# Altium PCB WL-MAIN.PcbDoc (part 2 of 4)
Units mm, origin at the board's own origin, x right, y up, seen from the top; angles counter-clockwise.
Board outline 144 x 83.65 mm, 4 copper layers (Top Layer, Layer 2, Layer 3, Bottom Layer), stack 1.57 mm thick; 403 components, 327 nets, 1552 pads, 622 vias.
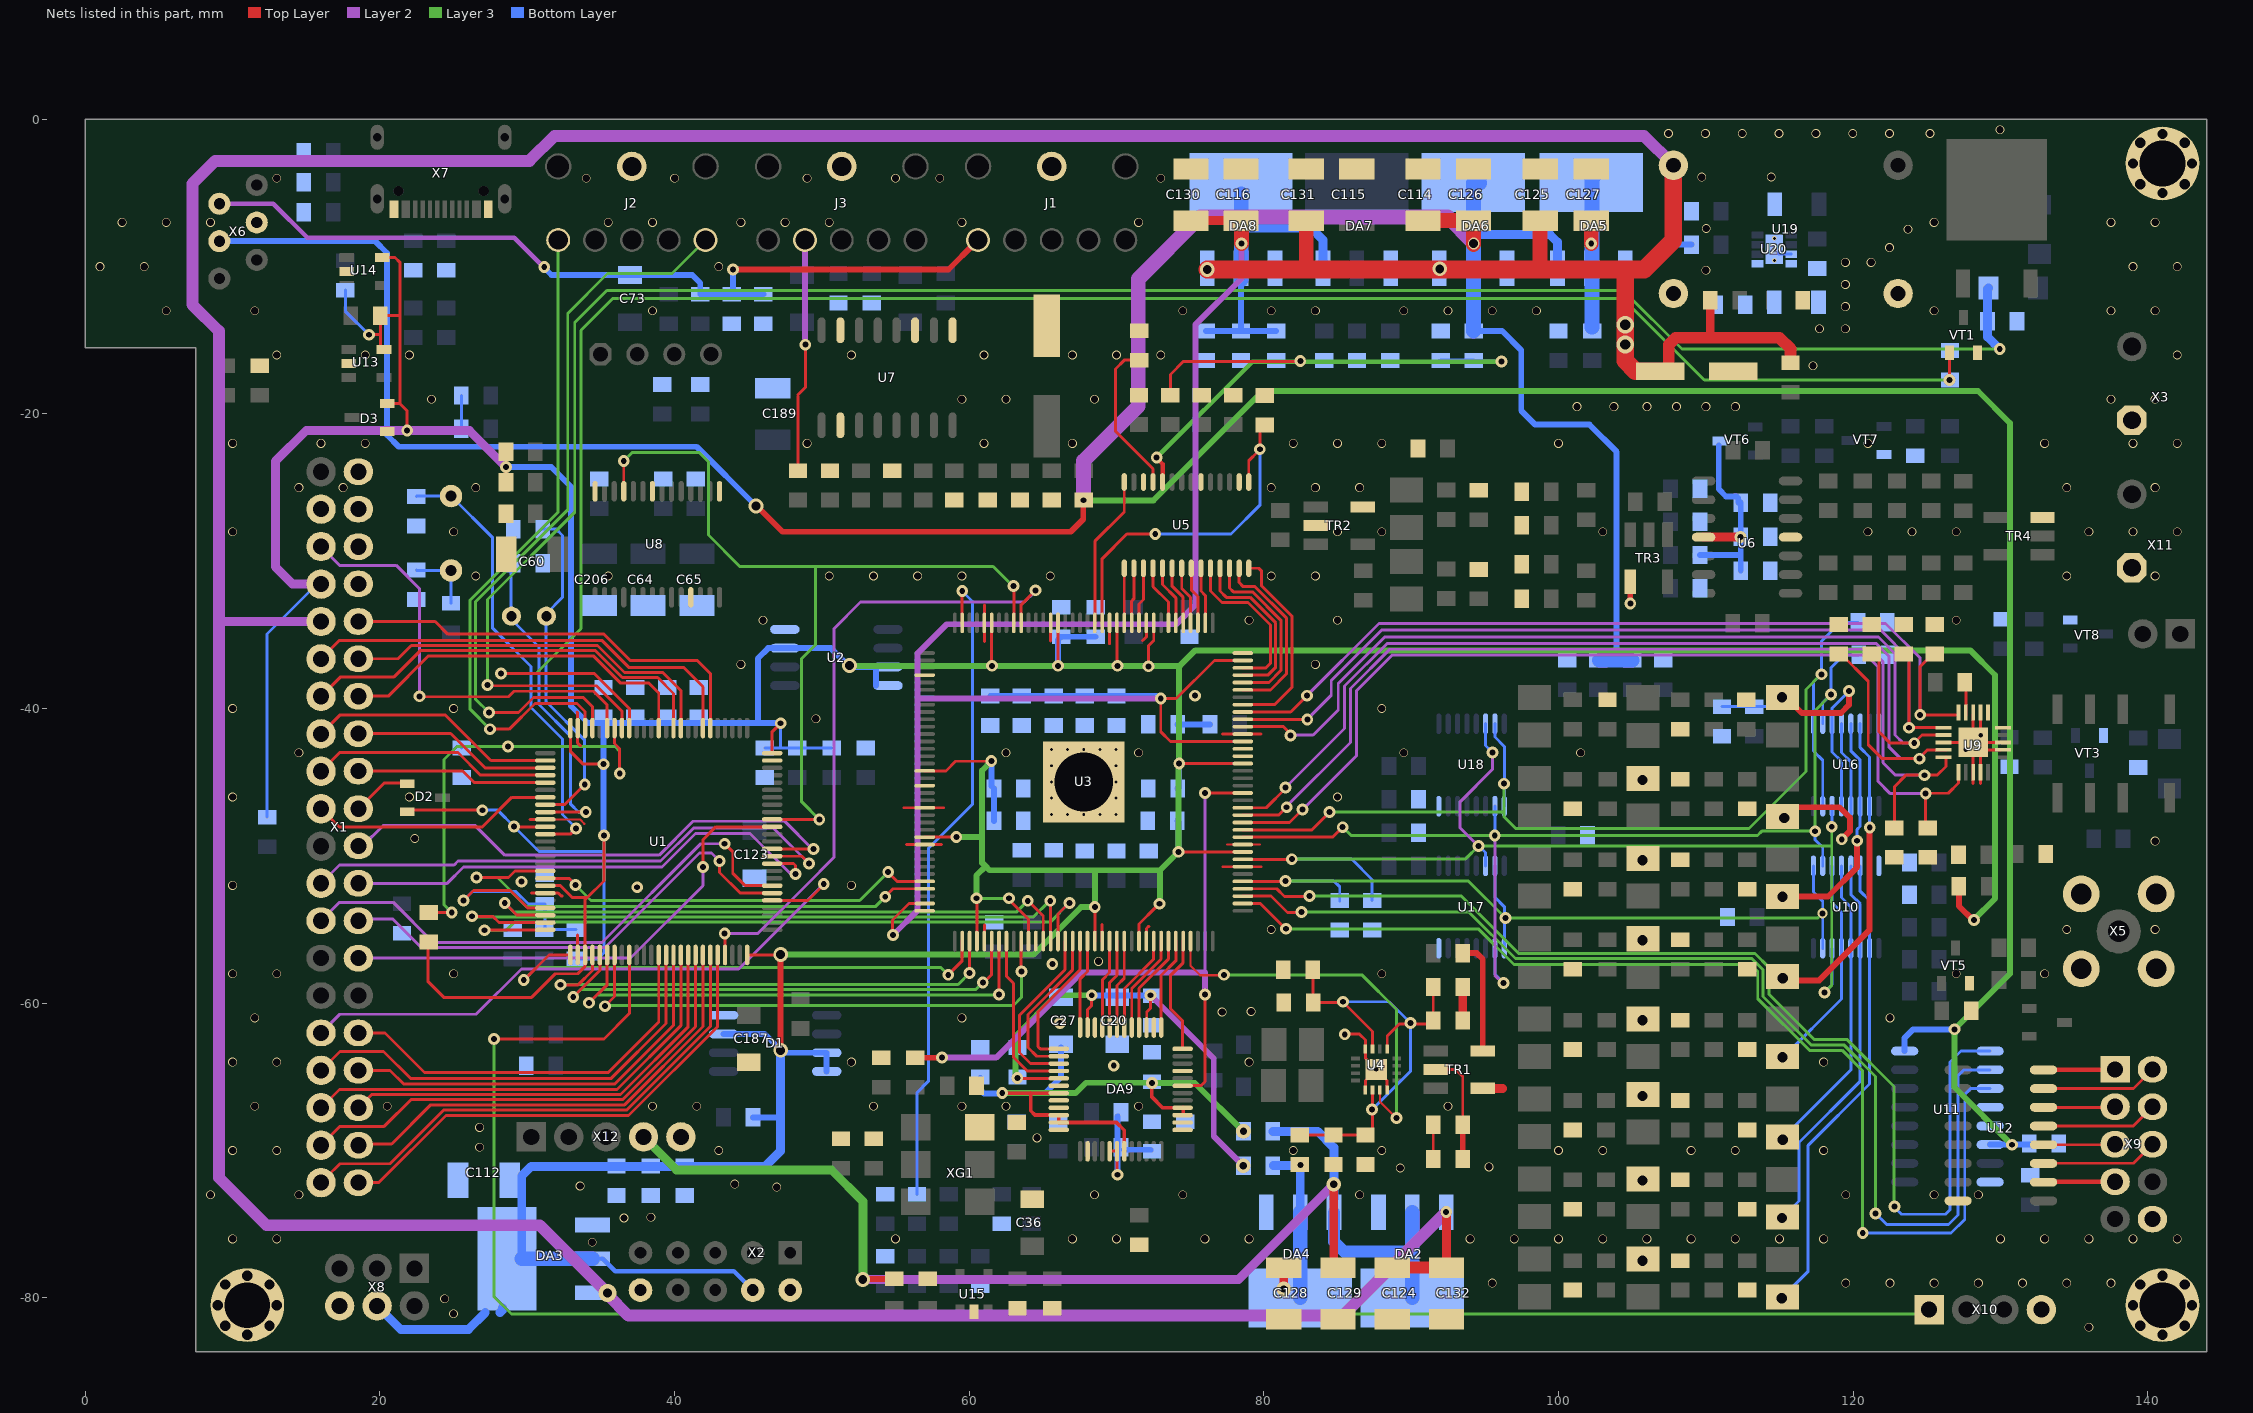
[diagram p4: the nets of this part, all layers, seen from the top]

## Via types
v1: diameter 0.8, hole 0.4, Top Layer to Bottom Layer, tented both sides, 272 vias
v2: diameter 0.6, hole 0.5, Top Layer to Bottom Layer, tented both sides, 237 vias
v3: diameter 0.8, hole 0.7, Top Layer to Bottom Layer, tented both sides, 24 vias
v4: diameter 1.3, hole 0.7, Top Layer to Bottom Layer, 23 vias
v5: diameter 1, hole 0.7, Top Layer to Bottom Layer, 17 vias
v6: diameter 0.5, hole 0.2, Top Layer to Bottom Layer, 16 vias
v7: diameter 1, hole 0.6, Top Layer to Bottom Layer, tented both sides, 10 vias
v8: diameter 1.2, hole 0.7, Top Layer to Bottom Layer, 6 vias
v9: diameter 1, hole 0.5, Top Layer to Bottom Layer, tented both sides, 4 vias
v10: diameter 0.7, hole 0.4, Top Layer to Bottom Layer, tented both sides, 3 vias
v11: diameter 1.2, hole 0.7, Top Layer to Bottom Layer, tented both sides, 2 vias
v12: diameter 1.2, hole 0.6, Top Layer to Bottom Layer, tented both sides, 2 vias
v13: diameter 3.4, hole 3.4, Top Layer to Bottom Layer, 2 vias
v14: diameter 0.9, hole 0.5, Top Layer to Bottom Layer, tented both sides, 1 vias
v15: diameter 5, hole 4, Top Layer to Bottom Layer, 1 vias
v16: diameter 0.8, hole 0.6, Top Layer to Bottom Layer, tented both sides, 1 vias
v17: diameter 2, hole 1, Top Layer to Bottom Layer, tented both sides, 1 vias

## Nets (pads, with @x,y where several pads share a name; then routed paths per layer and width w, separated by ;. In a path a pad name is that pad's centre, name@x,y a point inside that pad or via, vN(x,y) a via of type N, cw(c..) or ccw(c..) an arc to the next point about the centre after c; other vN are vias at no path point) (continued)
+2.5V: C83.1 C84.1 C85.1 C86.1 C87.1 C88.1 C89.1 C90.1 C116.1 C130.1 DA7.3 DA8.2 DA8.4 U3.35 U3.96 U3.107 | length 139.6
  Top Layer w0.2: v1@54.8,-55.35 54.8,-54.35 55.918,-53.232 U3.35@56.975,-53.232 ; U3.96@78.575,-42.232 73.657,-42.232 73,-41.575 v1(73,-39.325) 74.05,-39.325 76.643,-36.732 U3.107@78.575,-36.732
  Top Layer w0.6: C130.1@75.058,-6.875 78.3,-6.875 C116.1@78.483,-7.058
  Top Layer w1: v1(78.483,-8.425) C116.1@78.483,-7.058
  Layer 2 w0.4: v1(54.825,-55.375) 56.5,-53.7 56.5,-39.325 ; v1(73,-39.325) 56.5,-39.325 ; v1(78.483,-8.425) 78.483,-10.817 75.35,-13.95 75.35,-32.975 74.05,-34.275 58.475,-34.275 56.5,-36.25 56.5,-39.325
  Bottom Layer w0.4: C85.1@61.425,-39.15 C87.1@63.569,-39.15 C86.1@67.856,-39.15 C83.1@70,-39.15 v1@72.7,-39.15 ; C88.1@76.062,-14.375 C89.1@78.45,-14.375 ; DA8.2@78.45,-10.1 C89.1@78.45,-14.375 ; C90.1@80.837,-14.375 C89.1@78.45,-14.375
  Bottom Layer w0.6: 78.458,-7.375 83.2,-7.375 84.008,-8.183 DA7.3@84.008,-10.1
  Bottom Layer w1: DA8.2@78.458,-10.875 78.458,-7.375 DA8.4@78.458,-5.075
+3.3DAC: C127.1 DA5.2 DA5.4 FB2.2 | length 11.6
  Top Layer w1: v1(102.223,-8.425) 102.223,-6.877 C127.1@102.225,-6.875
  Bottom Layer w1: FB2.2@102.275,-14.125 DA5.4@102.275,-4.05
+3.3V: C91.1 C92.1 C93.1 C94.1 C95.1 C96.1 C98.1 C100.1 C102.1 C104.1 C106.1 C108.1 C110.1 C111.1 C112.1 C199.1 D1.3 D1.7 D1.8 D2.2 D3.2 DA3.2 DA3.4 FB5.2 FB6.2 FB7.2 FB11.1 J4.2 R1.2 R9.1 R10.1 R34.1 R35.1 R41.2 R42.2 R60.1 R76.1 U1.11 U1.19 U1.28 U1.50 U1.75 U1.100 U2.3 U2.7 U2.8 U3.17 U3.26 U3.40 U3.47 U3.56 U3.62 U3.81 U3.93 U3.117 U3.122 U3.130 U3.139 U13.5 U14.5 X1.7 X2.4 X8.4 | length 496.2
  Top Layer w0.2: v1@19.125,-14.6 20.025,-14.6 ; U14.5@20.025,-9.25 U14.5@20.15,-9.375 21.025,-9.375 21.35,-9.7 21.35,-13.325 ; U13.5@20.275,-15.625 20.025,-15.375 20.025,-14.6 ; D3.2@20.5,-19.3 21.35,-19.3 ; D2.2@21.85,-46.925 21.875,-46.9 v1(26.95,-46.9) ; v1(21.85,-21.125) 21.85,-19.8 21.35,-19.3 ; J4.2@23.275,-56 23.275,-58.55 24.325,-59.6 30.3,-59.6 31.9,-58 33.425,-58 33.906,-57.519 33.906,-56.744 U1.28@33.925,-56.725 33.925,-52.975 34.075,-52.825 ; FB5.2@28.55,-24.65 v1(28.55,-23.6) FB6.2@28.55,-22.575 ; v1@29.075,-48.025 U1.11@31.225,-48.025 ; U1.19@31.225,-52.025 32.25,-52.025 33.05,-52.825 34.075,-52.825 ; U1.100@32.925,-41.325 32.925,-42.9 33.8,-43.775 v1(35.175,-43.775) ; v1(35.2,-48.625) 35.2,-51.7 34.075,-52.825 ; U1.50@44.925,-56.725 47.2,-56.725 v7(47.2,-56.7) ; U1.75@46.625,-43.025 46.625,-41.575 v1(47.2,-41) ; U3.26@56.975,-48.732 v1@59.025,-48.732 ; U3.17@56.975,-44.232 58.418,-44.232 59.075,-43.575 v1@61.45,-43.575 ; U3.40@60.525,-55.782 v1@60.525,-52.9 ; v1@61.525,-37.1 U3.139@61.525,-34.182 ; v1@62.7,-52.975 64.025,-54.3 U3.47@64.025,-55.782 ; v1@66.025,-37.025 U3.130@66.025,-34.182 ; U3.56@68.525,-55.782 v1@68.525,-53.375 ; v1@70.025,-37.025 U3.122@70.025,-34.182 ; U3.62@71.525,-55.782 71.525,-54.625 72.662,-53.488 v1@72.913,-53.488 ; v1@72.162,-37.1 72.162,-35.738 72.525,-35.375 U3.117@72.525,-34.182 ; v1@74.275,-49.732 U3.81@78.575,-49.732 ; v1@74.275,-43.732 U3.93@78.575,-43.732 ; 20.025,-14.6 R41.2@20.025,-13.325 21.35,-13.325 ; 21.35,-19.3 21.35,-13.325
  Top Layer w0.4: v7(47.2,-63.2) v7@47.2,-56.725 ; FB7.2@127.175,-52.075 127.175,-53.4 v1@128.15,-54.375
  Layer 2 w0.6: X1.7@16,-31.55 14.075,-31.55 12.9,-30.375 12.9,-23.225 15,-21.125 v1(21.85,-21.125) 26.075,-21.125 v1(28.55,-23.6)
  Layer 3 w0.2: v1(60.5,-52.875) 60.525,-52.9 v1@62.625,-52.9 ; 60.825,-48.725 60.875,-48.675
  Layer 3 w0.4: v7(47.2,-56.7) 64.375,-56.7 67.6,-53.475 v1(68.525,-53.475) ; v7@52.175,-37.1 v1(61.55,-37.1) v1(66.025,-37.1) v1(70.075,-37.1) 74.25,-37.1 ; v1(59.125,-48.725) 60.825,-48.725 ; v1(60.5,-52.875) 60.5,-51.325 61.113,-50.713 ; v1@61.5,-43.575 60.875,-44.2 60.875,-48.675 60.875,-50.475 61.113,-50.713 ; v1@68.525,-53.425 68.525,-50.975 ; v1@72.95,-53.375 72.95,-50.975 ; v1@128.187,-54.338 129.625,-52.9 129.625,-37.725 127.95,-36.05 75.35,-36.05 74.3,-37.1 74.25,-37.1 ; 61.113,-50.713 61.375,-50.975 68.525,-50.975 ; 68.525,-50.975 72.95,-50.975 ; 72.95,-50.975 v1(74.2,-49.725) 74.2,-43.775 v1(74.25,-43.725) 74.25,-37.1
  Bottom Layer w0.2: R76.1@12.342,-47.374 12.342,-34.933 X1.7@15.725,-31.55 ; R42.2@17.648,-11.6 17.648,-13.023 v1(19.25,-14.625) ; v1(21.85,-21.125) 25.4,-21.125 R34.1@25.525,-21 R35.1@25.525,-18.75 ; v1(26.95,-46.9) 28,-46.9 v1(29.1,-48) 30.8,-49.7 35.2,-49.7 ; FB11.1@33.3,-57 34.775,-57 35.2,-56.575 35.2,-49.7 ; v1(35.2,-48.625) 35.2,-48.75 35.2,-49.7 ; C102.1@46.125,-42.675 47.2,-42.675 ; 47.125,-67.75 47.2,-67.825 ; v1(47.2,-41) 47.2,-42.675 ; R9.1@50.675,-42.675 R10.1@48.325,-42.675 47.2,-42.675
  Bottom Layer w0.3: DA3.2@35.025,-77.35 35.125,-77.35 35.975,-78.2 44.03,-78.2 X2.4@45.305,-79.475
  Bottom Layer w0.4: v1(28.55,-23.6) 31.625,-23.6 32.975,-24.95 32.975,-39.825 34.125,-40.975 C199.1@35.2,-40.975 ; v1@35.2,-48.75 35.175,-48.725 v1(35.175,-43.775) 35.175,-41 C199.1@35.2,-40.975 ; D1.3@43.325,-62.09 46.115,-62.09 47.385,-63.36 D1.7@50.325,-63.36 D1.8@50.325,-64.63 ; R1.2@45.325,-67.75 47.125,-67.75 ; v1(47.2,-41) 47.175,-40.975 45.65,-40.975 ; U2.8@53.685,-38.44 53.685,-37.17 51.87,-37.17 50.6,-35.9 U2.3@47.485,-35.9 46.35,-35.9 45.65,-36.6 45.65,-40.975 ; C110.1@61.5,-45.25 v1(61.5,-43.55) ; C92.1@61.675,-47.625 C110.1@61.675,-45.425 ; v1(66.025,-37.1) 66.025,-35.35 C104.1@66.25,-35.125 C111.1@68.575,-35.125 ; C106.1@74.125,-47.625 74.2,-47.7 v1(74.2,-49.725) ; C108.1@74.15,-45.425 74.25,-45.325 v1(74.25,-43.725) 74.25,-41.175 C95.1@74.15,-41.075 R60.1@76.35,-41.075 ; C199.1@35.2,-40.975 45.65,-40.975
  Bottom Layer w0.6: X8.4@19.802,-80.545 21.407,-82.15 26,-82.15 27.15,-81 ; 28.15,-81 28.325,-80.825 DA3.4@28.325,-80.7 ; DA3.4@29.625,-77.35 29.625,-71.725 30.275,-71.075 46.15,-71.075 47.2,-70.025 47.2,-67.825 v7(47.2,-63.2)
  Bottom Layer w1: DA3.4@29.625,-77.35 DA3.2@34.425,-77.35
  other v1: 128.2,-54.35 72.925,-53.25 62.7,-52.875 72.176,-37.133
  other v7: 51.875,-37.075
+3.3VAD: C128.1 DA4.2 DA4.4 FB1.1 L3.2 | length 12
  Top Layer w0.6: v9@81.35,-79.15 C128.1@81.35,-77.95
  Bottom Layer w0.2: DA4.2@82.467,-74.2 DA4.2@82.475,-74.192
  Bottom Layer w0.6: L3.2@80.65,-71 80.66,-71.01 82.447,-71.01 v1(82.475,-70.982) ; DA4.2@82.475,-74.192 v1@82.475,-70.996
  Bottom Layer w1: DA4.4@82.467,-80 DA4.2@82.467,-74.2
  other v9: 81.353,-79.396
+5DAC: C114.1 C126.1 C185.1 DA5.3 DA6.2 DA6.4 FB4.2 FB8.2 FB9.2 FB10.2 U11.6 U11.16 X6.4 | length 298.7
  Top Layer w0.4: v7@45.6,-26.275 47.325,-28 66.9,-28 67.741,-27.159 67.741,-25.759 FB4.2@67.941,-25.759
  Top Layer w1: C114.1@90.807,-6.875 C126.1@94.232,-6.875 v16@94.232,-8.5 ; C114.1@90.857,-6.777 C114.1@90.907,-6.727
  Layer 2 w1: v1(67.762,-25.863) 67.762,-23.188 71.475,-19.475 71.475,-10.84 75.69,-6.625 92.475,-6.625 v16@94.25,-8.4
  Layer 3 w0.4: v1@67.941,-25.875 72.5,-25.875 79.925,-18.45 128.475,-18.45 130.65,-20.625 130.65,-58 v1(126.875,-61.775) 126.875,-65.709 v1(130.778,-69.611)
  Bottom Layer w0.4: X6.4@9.1,-8.275 19.675,-8.275 20.475,-9.075 20.475,-21.425 21.275,-22.225 41.5,-22.225 v7(45.525,-26.25) ; v1@67.75,-25.875 v1@67.781,-25.906 ; FB8.2@94.236,-14.375 96.175,-14.375 97.475,-15.675 97.475,-19.775 98.425,-20.725 102.1,-20.725 103.95,-22.575 103.95,-36.725 ; FB10.2@102.7,-36.725 FB10.2@102.775,-36.725 ; U11.16@123.5,-63.252 123.5,-62.352 124.077,-61.775 v1(126.875,-61.775) ; U11.6@129.3,-69.602 C185.1@131.977,-69.602
  Bottom Layer w0.6: 94.236,-7.825 99.424,-7.825 99.925,-8.326 DA5.3@99.925,-10.1
  Bottom Layer w1: FB8.2@94.236,-14.375 94.236,-7.825 DA6.4@94.236,-4.325 ; DA6.4@94.636,-4.3 DA6.4@94.661,-4.325 ; FB10.2@102.775,-36.725 103.95,-36.725 FB9.2@105,-36.725
  other v16: 94.242,-8.425
+5V: X1.8
+5VAD: C129.1 DA2.2 DA2.4 DA4.3 FB3.2 L4.2 X12.4 | length 85.7
  Top Layer w0.2: C129.1@84.94,-77.95 C129.1@84.965,-77.925
  Top Layer w0.4: v7(52.775,-78.75) 52.8,-78.725 54.875,-78.725 FB3.2@54.9,-78.7
  Top Layer w0.6: C129.1@84.725,-77.75 84.746,-77.729 v9(84.746,-72.297)
  Layer 2 w0.6: v7(52.775,-78.75) 78.293,-78.75 v9(84.746,-72.297)
  Layer 3 w0.6: X12.4@37.89,-69.075 40.14,-71.325 50.65,-71.325 52.796,-73.471 v7@52.796,-78.675
  Bottom Layer w0.4: DA4.3@84.675,-73.35 DA4.3@84.756,-73.269 ; v9(84.746,-72.297) v9@84.756,-72.307
  Bottom Layer w0.6: L4.2@80.612,-68.704 83.654,-68.704 84.75,-69.8 v9@84.75,-72.2 ; DA4.3@84.756,-73.269 v9@84.756,-72.307
  Bottom Layer w0.8: DA4.3@84.767,-74.2 84.767,-76.192 85.425,-76.85 90.075,-76.85
  Bottom Layer w1: DA2.4@90.075,-79.98 90.075,-76.85 DA2.2@90.075,-74.2
+8Power: C63.1 C70.1 C124.1 C125.1 C131.1 C132.1 C134.1 DA2.3 DA3.3 DA6.3 DA8.3 FB15.1 R32.1 R37.1 U19.1 U20.4 U20.5 X1.9 | length 349.3
  Top Layer w0.6: C132.1@92.4,-77.95 v1@92.4,-74.225 ; 110.304,-14.679 R37.1@110.304,-12.271
  Top Layer w0.8: C124.1@88.859,-77.95 92.375,-77.95 C132.1@92.4,-77.925 ; C134.1@107.281,-17.1 107.481,-16.9 107.481,-15.294 107.95,-14.825 115,-14.825 115.75,-15.575 FB15.1@115.75,-16.532
  Top Layer w1: 82.8,-10.2 82.883,-10.117 C131.1@82.883,-6.875 ; 98.65,-10.2 98.75,-10.1 C125.1@98.75,-6.875
  Top Layer w1.2: v7(76.158,-10.2) 82.8,-10.2 v7@91.935,-10.2 ; v7@91.98,-10.2 98.65,-10.2 104.525,-10.2 ; C134.1@106.9,-17.1 105.228,-17.1 104.525,-16.397 104.525,-10.2 ; U19.1@107.775,-3 107.8,-3.025 U19.1@107.8,-3.125 107.8,-8.225 105.825,-10.2 104.525,-10.2
  Layer 2 w0.6: 9.075,-34.05 9.115,-34.09 X1.9@16,-34.09 ; v1@92.325,-74.225 v1@92.325,-74.175
  Layer 2 w0.8: v1@92.325,-74.225 85.35,-81.2 36.867,-81.2 35.45,-79.783 v12(35.45,-79.675) 30.85,-75.075 12.3,-75.075 9.075,-71.85 9.075,-34.05 9.075,-14.375 7.275,-12.575 7.275,-4.375 8.825,-2.825 30.15,-2.825 31.85,-1.125 105.8,-1.125 107.775,-3.1 U19.1@108.275,-3.1
  Bottom Layer w0.2: DA6.3@91.911,-10.1 91.935,-10.124 v7(91.935,-10.154)
  Bottom Layer w0.4: U19.1@107.475,-3.5 107.8,-3.825 107.8,-8.271 108.034,-8.505 R32.1@109.025,-8.505
  other v1: 92.375,-74.175
  other v11: 104.522,-15.287 104.522,-13.937
+DAC: C33.1 C118.1 C119.1 R24.1 U6.11 VT6.3 | length 14.8
  Top Layer w0.6: U6.11@109.85,-28.365 v1@112.365,-28.365
  Bottom Layer w0.2: 112.372,-29.578 112.375,-29.575
  Bottom Layer w0.4: R24.1@109.6,-29.578 112.372,-29.578 ; VT6.3@110.875,-22.125 110.875,-25.1 111.375,-25.6 112.075,-25.6 112.2,-25.725 C119.1@112.2,-26.016 ; C33.1@112.375,-30.633 112.375,-29.575 C118.1@112.375,-28.341 C119.1@112.375,-26.016
  other v1: 112.35,-28.35
AD1_CS: U1.65 X1.28 | length 33.6
  Top Layer w0.2: v1(41.925,-50.75) 41.925,-48.9 42.8,-48.025 U1.65@46.625,-48.025
  Layer 2 w0.2: X1.28@18.54,-56.94 37.01,-56.94 41.925,-52.025 v1(41.925,-50.75)
ALC_IN: U1.34 X10.1 | length 129.2
  Top Layer w0.2: v1@27.875,-62.425 35.2,-62.425 36.925,-60.7 U1.34@36.925,-56.725
  Layer 3 w0.2: v1(27.75,-62.425) 27.75,-79.925 28.925,-81.1 X10.1@125.175,-81.1
ATT_ON_0.5: C79.2 U3.86 U9.20 | length 68.1
  Top Layer w0.2: U3.86@78.575,-47.232 81.018,-47.232 v1(81.55,-46.7) ; C79.2@122.8,-48.1 122.8,-45.3 123.575,-44.525 v1(124.85,-44.525) 125.7,-44.525 126.3,-43.925 U9.20@126.3,-43.3
  Layer 2 w0.2: v1@81.575,-46.6 85.875,-42.3 85.875,-38.642 88.542,-35.975 121.175,-35.975 122.025,-36.825 122.025,-43.675 122.875,-44.525 v1(124.85,-44.525)
ATT_ON_1: C80.2 U3.87 U9.19 | length 72
  Top Layer w0.2: U3.87@78.575,-46.732 80.168,-46.732 v1@81.475,-45.425 ; C80.2@119.025,-36.3 119.175,-36.3 121.025,-38.15 121.025,-42.45 121.975,-43.4 v1(124.5,-43.4) ; v1@124.525,-43.325 125.05,-42.8 U9.19@126.3,-42.8
  Layer 2 w0.2: v1(81.475,-45.35) 85.475,-41.35 85.475,-38.476 88.376,-35.575 121.575,-35.575 122.425,-36.425 122.425,-42.6 123.225,-43.4 v1(124.5,-43.4)
ATT_ON_2: C81.2 U3.98 U9.17 | length 66.4
  Top Layer w0.2: U3.98@78.575,-41.232 81.332,-41.232 v1@81.925,-41.825 ; C81.2@121.275,-36.3 121.75,-36.775 121.75,-41.575 122.525,-42.35 v1(124.15,-42.35) ; v1@124.137,-42.337 124.675,-41.8 U9.17@126.3,-41.8
  Layer 2 w0.2: v1@82,-41.8 83.35,-41.8 85.05,-40.1 85.05,-38.3 88.2,-35.15 121.725,-35.15 122.85,-36.275 122.85,-41.8 123.4,-42.35 v1(124.15,-42.35)
  other v1: 81.8,-41.825
ATT_ON_4: C197.2 U3.99 U9.16 | length 61.5
  Top Layer w0.2: U3.99@78.575,-40.732 82.932,-40.732 v1(82.95,-40.75) ; C197.2@123.45,-36.3 123.8,-36.65 v1(123.8,-41.3) U9.16@126.3,-41.3
  Layer 2 w0.2: v1@82.95,-40.725 84.575,-39.1 84.575,-38.103 88.003,-34.675 121.875,-34.675 123.8,-36.6 v1(123.8,-41.3)
ATT_ON_8: C198.2 U3.100 U9.15 | length 60.6
  Top Layer w0.2: U3.100@78.575,-40.232 81.818,-40.232 v1(82.925,-39.125) ; v1@124.55,-40.45 U9.15@127.15,-40.45 ; v1(124.55,-40.425) 124.55,-37.15 125.4,-36.3 C198.2@125.55,-36.3
  Layer 2 w0.2: v1(82.925,-39.125) 82.917,-39.125 87.817,-34.225 122.2,-34.225 124.55,-36.575 v1(124.55,-40.425) v1@124.55,-40.5
ATT_ON_16: C82.2 U3.85 U9.1 | length 68
  Top Layer w0.2: U3.85@78.575,-47.732 81.743,-47.732 v1(82.625,-46.85) ; v1@124.825,-45.75 126.45,-45.75 127.15,-45.05 U9.1@127.15,-44.15 ; v1(124.925,-45.775) 124.925,-47.95 C82.2@125.075,-48.1
  Layer 2 w0.2: v1@82.625,-46.875 86.275,-43.225 86.275,-38.807 88.707,-36.375 120.9,-36.375 121.675,-37.15 121.675,-44.925 122.525,-45.775 v1(124.925,-45.775)
AUDIO_I2S_CLOCK: U1.66 U3.136 U8.25 | length 59.2
  Top Layer w0.2: U8.25@36.55,-25.25 v1(36.55,-23.2) ; U1.66@46.625,-47.525 v1(49.825,-47.525) ; v1(63,-31.675) 63.025,-31.7 U3.136@63.025,-34.182
  Layer 3 w0.2: v1(36.55,-23.2) 37.125,-22.625 41.675,-22.625 42.3,-23.25 42.3,-28.225 44.425,-30.35 49.55,-30.35 ; v1(49.825,-47.525) 48.625,-46.325 48.625,-36.6 49.575,-35.65 49.575,-30.375 49.55,-30.35 ; v1@63,-31.725 61.625,-30.35 49.55,-30.35
AVDO: C29.2 C32.1 FB8.1 U5.24 | length 42.5
  Top Layer w0.2: C29.2@73.658,-18.725 73.658,-17.317 74.525,-16.45 v1@82.525,-16.45
  Top Layer w0.3: v1@72.85,-23.125 73.125,-23.4 U5.24@73.125,-24.625
  Layer 3 w0.3: v1(72.725,-22.95) 79.225,-16.45 v1(96.134,-16.45)
  Bottom Layer w0.3: C32.1@92.011,-16.375 FB8.1@94.236,-16.375 94.311,-16.45 v1(96.134,-16.45)
  other v1: 82.475,-16.4
BOOTO: J4.1 R4.2 U1.94 | length 32.5
  Top Layer w0.2: J4.1@23.275,-53.875 23.3,-53.85 v1(24.875,-53.85) ; U1.94@35.925,-41.325 35.925,-42.38 36.25,-42.705 v1@36.25,-44.325
  Layer 3 w0.2: v1(24.875,-53.85) 24.35,-53.325 24.35,-43.45 25.225,-42.575 v1(28.7,-42.575) 35.95,-42.575 36.275,-42.9 v1(36.275,-44.4)
  Bottom Layer w0.2: R4.2@25.55,-42.675 25.65,-42.575 v1(28.7,-42.575)
BPF_A: C142.1 U3.80 U10.14 U16.14 U17.14 U18.14 | length 75.5
  Top Layer w0.2: U3.80@78.575,-50.232 v1@81.918,-50.232
  Layer 2 w0.2: v1(94.575,-49.325) 94.55,-49.325 93.325,-48.1 93.325,-46.325 95.525,-44.125 v1(95.525,-42.975)
  Layer 3 w0.2: v1@81.875,-50.2 93.7,-50.2 v1(94.575,-49.325) 118.55,-49.325 ; v1(118.05,-59.275) 118.55,-58.775 118.55,-49.325 ; v1(118.55,-48.025) 118.55,-49.325
  Bottom Layer w0.2: v1(81.9,-50.225) 85.975,-50.225 87.35,-51.6 C142.1@87.35,-53.025 ; v1@94.525,-49.25 95.052,-49.778 U17.14@95.052,-50.675 ; U18.14@95.052,-41.025 95.052,-42.502 v1@95.7,-43.15 ; v1@118.15,-59.15 118.573,-58.727 U10.14@118.573,-56.275 ; v1@118.573,-47.972 U16.14@118.573,-46.625
BPF_B: C141.1 U3.83 U10.2 U16.2 U17.2 U18.2 | length 72.9
  Top Layer w0.2: U3.83@78.575,-48.732 84.668,-48.732 v1(85.35,-48.05)
  Layer 2 w0.2: v1@95.675,-48.75 95.675,-58.1 96.2,-58.625 v1(96.275,-58.625)
  Layer 3 w0.2: v1(85.35,-48.05) 85.925,-48.625 v1(95.675,-48.625) 113.5,-48.625 113.8,-48.325 v1(117.425,-48.325) 117.425,-40.125 v1(118.5,-39.05)
  Bottom Layer w0.2: U17.2@95.687,-56.275 95.687,-58.038 v1(96.275,-58.625) ; v1@95.687,-48.763 U18.2@95.687,-46.625 ; v1(117.425,-48.325) 117.425,-48.925 117.938,-49.438 U10.2@117.938,-50.675 ; U16.2@117.938,-41.025 117.938,-39.612 v1(118.5,-39.05) 118.5,-37.225 119.375,-36.35 C141.1@120.375,-36.35
BPF_OE1: C140.1 U3.77 U10.1 U10.15 U17.1 U17.15 | length 57.3
  Top Layer w0.2: U3.77@78.575,-51.732 v1@81.475,-51.732
  Layer 3 w0.2: v1@81.275,-51.7 v1(81.475,-51.7) 93.875,-51.7 v1(96.4,-54.225) 117.6,-54.225 v10(117.925,-53.9)
  Bottom Layer w0.2: v1(81.475,-51.7) 84.75,-51.7 85.15,-52.1 C140.1@85.15,-53.075 ; U17.15@95.687,-50.65 95.687,-52.812 96.322,-53.447 U17.1@96.322,-56.25 ; U10.1@117.303,-50.675 117.303,-52.453 117.938,-53.088 U10.15@117.938,-56.275
BPF_OE2: C143.1 U3.84 U16.1 U16.15 U18.1 U18.15 | length 70.1
  Top Layer w0.2: U3.84@78.575,-48.232 83.268,-48.232 v1@84.275,-47.225
  Layer 3 w0.2: v1(84.45,-47.025) 96.3,-47.025 ; v1(96.3,-45.1) 96.3,-47.025 ; v1@117.737,-37.763 117.725,-37.775 116.8,-38.7 116.8,-44.275 112.925,-48.15 97.1,-48.15 96.3,-47.35 96.3,-47.025
  Bottom Layer w0.2: U18.15@95.687,-41.025 95.687,-41.937 96.322,-42.572 U18.1@96.322,-46.625 ; U16.15@117.938,-46.625 117.938,-43.513 117.303,-42.878 U16.1@117.303,-41.025 117.303,-38.197 117.825,-37.675 v1(117.85,-37.675) 117.85,-35.425 119.125,-34.15 C143.1@120.325,-34.15
CPU_PW: C175.1 U1.93 VD1.1 | length 141.9
  Top Layer w0.2: v1(27.3,-38.4) 27.35,-38.45 34.7,-38.45 36.425,-40.175 U1.93@36.425,-41.325
  Layer 3 w0.2: v1(27.3,-38.4) 27.3,-32.6 33.225,-26.675 33.225,-26.13 33.225,-13.8 35.4,-11.625 104.4,-11.625 108.375,-15.6 v1(129.95,-15.6)
  Bottom Layer w0.6: VD1.1@129.2,-11.45 129.125,-11.525 C175.1@129.125,-13.7 129.125,-14.775 v1(129.95,-15.6)
CPU_PW_HOLD: R50.2 U1.92 VT1.1 | length 135.9
  Top Layer w0.2: v1(28.225,-37.625) 34.55,-37.625 36.925,-40 U1.92@36.925,-41.325 ; v1@126.525,-17.7 126.55,-17.675 VT1.1@126.55,-15.85
  Layer 3 w0.2: v1(28.225,-37.625) 30.6,-37.625 33.65,-34.575 33.65,-14.325 35.825,-12.15 104.35,-12.15 109.9,-17.7 v1(126.55,-17.7)
ENC2_CLK: U1.7 X1.19 | length 16.6
  Top Layer w0.2: X1.19@16,-46.8 17.25,-48.05 26.925,-48.05 28.95,-46.025 U1.7@31.225,-46.025
ENC2_DT: U1.5 X1.18 | length 13
  Top Layer w0.2: X1.18@18.54,-44.24 25.615,-44.24 26.4,-45.025 U1.5@31.225,-45.025
ENC2_SW: U1.3 X1.16 | length 13.6
  Top Layer w0.2: X1.16@18.54,-41.7 24.8,-41.7 27.125,-44.025 U1.3@31.225,-44.025
ENC_CLK: U1.2 X1.15 | length 17
  Top Layer w0.2: X1.15@16,-41.72 17.27,-40.45 24.45,-40.45 27.525,-43.525 U1.2@31.225,-43.525
ENC_DT: U1.4 X1.17 | length 16.4
  Top Layer w0.2: X1.17@16,-44.26 17.27,-42.99 25.29,-42.99 26.825,-44.525 U1.4@31.225,-44.525
FPG_CTRL: R63.1 U3.143 | length 44.9
  Top Layer w0.2: U3.143@59.525,-34.182 59.525,-32.1 v1@59.55,-32.075
  Bottom Layer w0.2: R63.1@56.453,-72.975 56.453,-66.073 57.225,-65.301 57.225,-49.5 60.225,-46.5 60.225,-43.281 60.225,-32.724 59.55,-32.049 v1@59.55,-32.025
  other v1: 59.525,-32.025
FPGA_48K_CLK: U1.47 U3.135 | length 44
  Top Layer w0.2: U1.47@43.425,-56.725 v1@43.425,-55.1 ; U3.135@63.525,-34.182 63.525,-32.95 v1(64.5,-31.975)
  Layer 2 w0.2: v1(43.4,-55.275) 45.65,-55.275 48.85,-52.075 50.825,-50.1 50.825,-34.575 52.625,-32.775 63.75,-32.775 v1@64.475,-32.05
FPGA_BUS_CLK: U1.17 U3.33 | length 36.6
  Top Layer w0.2: v1(26.55,-51.475) 28.725,-51.475 29.175,-51.025 U1.17@31.225,-51.025 ; v1@54.3,-52.75 54.818,-52.232 U3.33@56.975,-52.232
  Layer 3 w0.2: v1(26.55,-51.475) 27.975,-51.475 29.95,-53.45 53.625,-53.45 v1(54.3,-52.775)
FPGA_BUS_D0: U1.23 U3.49 | length 42.6
  Top Layer w0.2: v1@28.275,-53.2 v1(28.475,-53.2) 29.3,-54.025 U1.23@31.225,-54.025 ; v1@63.863,-53.162 64.113,-53.162 65.025,-54.075 U3.49@65.025,-55.782
  Layer 3 w0.2: v1(28.475,-53.2) 29.075,-53.8 63.225,-53.8 v1(63.975,-53.05)
FPGA_BUS_D1: U1.24 U3.50 | length 47.6
  Top Layer w0.2: v1(26.25,-54.1) 27.65,-54.1 28.075,-54.525 U1.24@31.225,-54.525 ; U3.50@65.525,-55.782 v1@65.525,-53.05
  Layer 3 w0.2: v1(26.25,-54.1) 26.3,-54.15 64.35,-54.15 64.437,-54.063 65.325,-53.175 v1@65.5,-53.175
  other v1: 65.5,-53.05
FPGA_BUS_D2: U1.25 U3.51 | length 47.5
  Top Layer w0.2: v1@27.1,-55.025 U1.25@31.225,-55.025 ; U3.51@66.025,-55.782 66.025,-53.95 66.768,-53.207 v1(66.807,-53.207)
  Layer 3 w0.2: v1(27.1,-55.05) 28.575,-55.05 29.125,-54.5 65.5,-54.5 66.793,-53.207 v1(66.807,-53.207)
FPGA_BUS_D3: U1.26 U3.38 | length 35.9
  Top Layer w0.2: v1(29.76,-58.435) 31.469,-56.725 U1.26@32.925,-56.725 ; v1(58.575,-58.075) 59.525,-57.125 U3.38@59.525,-55.782